# Altium PCB focDriver.PcbDoc (part 1 of 2) (continued)
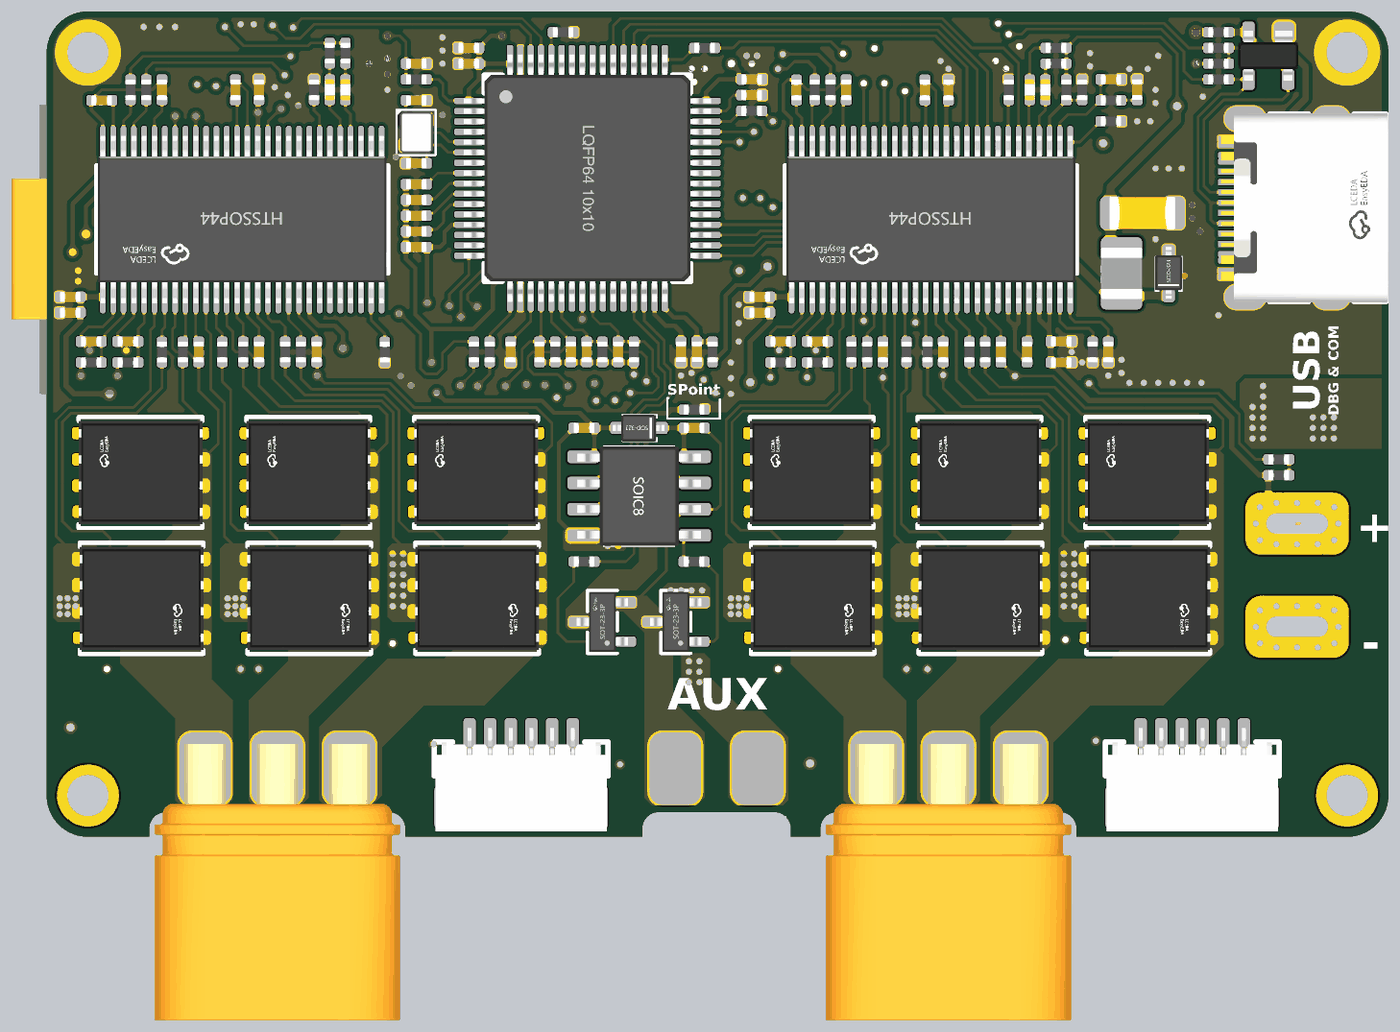
[diagram p5: 3D render of the assembled board from above, using the file's embedded part models]
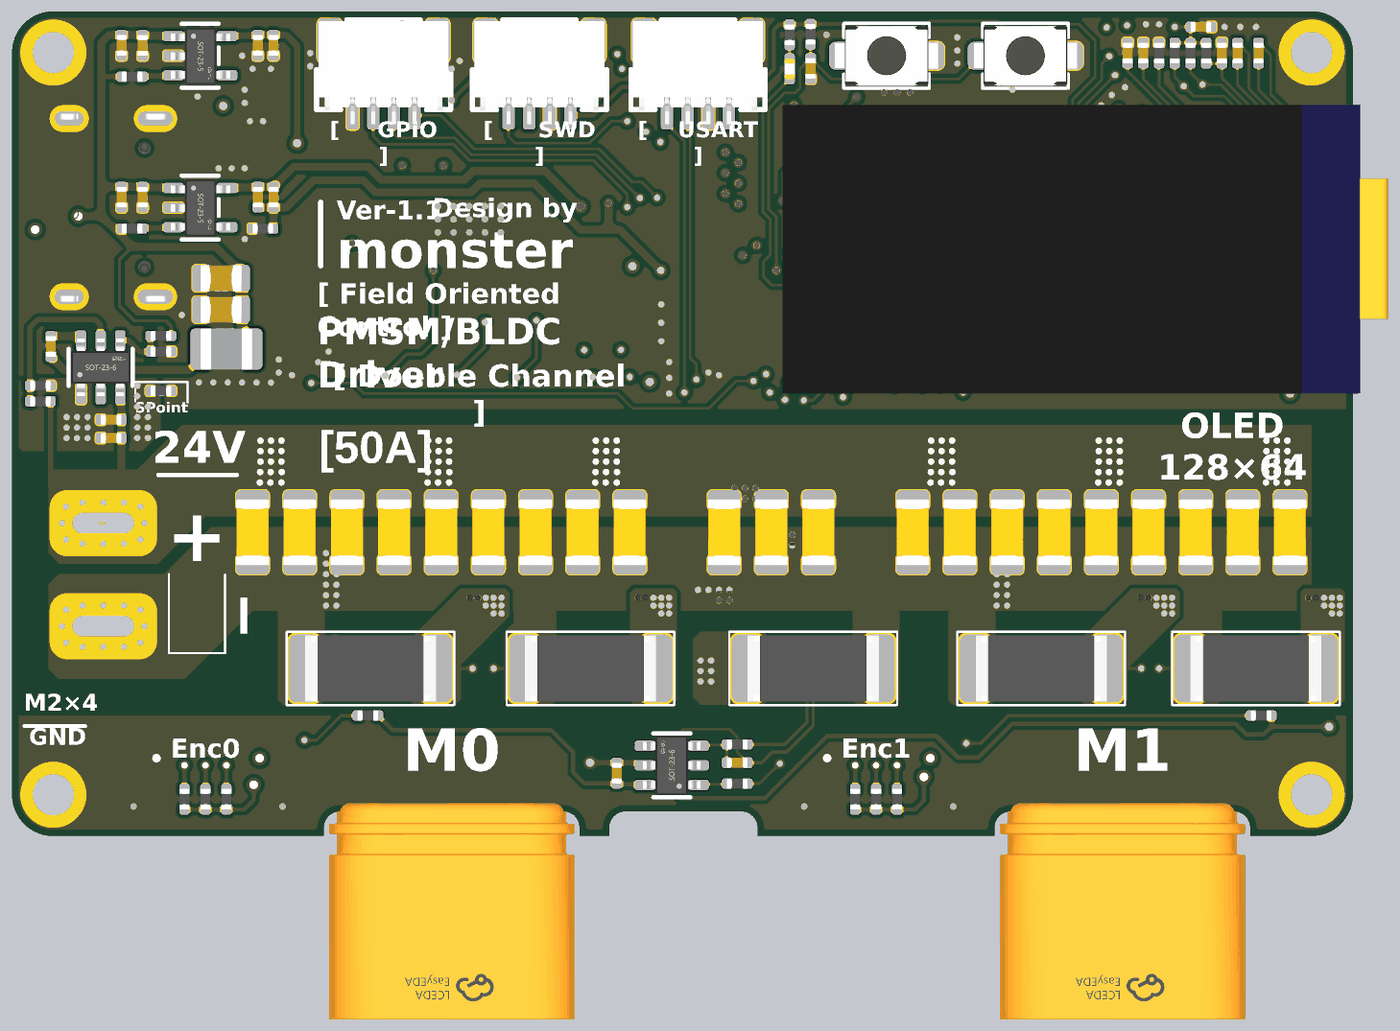
[diagram p6: 3D render of the assembled board from below, using the file's embedded part models]

## Layer stack, top to bottom
Top Solder: solder mask 0.4, Solder Resist, Dk 3.5
Top Layer: signal copper 1.4
Dielectric 2: prepreg 2.8, PP-006, Dk 4.1
Power: signal copper 1.378
Dielectric 1: dielectric 12.6, FR-4, Dk 4.8
Gnd: signal copper 1.378
Dielectric 3: prepreg 2.8, PP-006, Dk 4.1
Bottom Layer: signal copper 1.4
Bottom Solder: solder mask 0.4, Solder Resist, Dk 3.5

## Board outline
2078.74,1760 2195.91,1760 2195.91,1775.59 cw(c2227.4,1775.59) 2227.4,1807.09 2652.6,1807.09 cw(c2652.6,1775.59) 2684.09,1775.59 2684.09,1760 3136.02,1760 3136.02,1775.59 cw(c3167.52,1775.59) 3167.52,1807.09 3387.99,1807.09 cw(c3387.99,1775.59) 3419.49,1775.59 3419.49,1760 3475.91,1760 3475.91,1775.59 cw(c3507.4,1775.59) 3507.4,1807.09 3932.6,1807.09 cw(c3932.6,1775.59) 3964.09,1775.59 3964.09,1760 4480.31,1760 ccw(c4480.31,1838.74) 4559.06,1838.74 4559.06,3256.06 ccw(c4480.31,3256.06) 4480.31,3334.8 2078.74,3334.8 ccw(c2078.74,3256.06) 2000,3256.06 2000,1838.74 ccw(c2078.74,1838.74)

## Design rules (kind name [scope] priority, off if disabled: settings)
Clearance [All] p1: gap=6 ignorepadtopadclearanceinfootprint=FALSE except(7: Arc-Fill Arc-Poly Arc-Region Track-Fill Track-Poly Track-Region SMDPad-Fill SMDPad-Poly SMDPad-Region THPad-Fill THPad-Poly THPad-Region Via-Fill Via-Poly Via-Region Fill-Fill Fill-Poly Fill-Region Poly-Poly Poly-Region Region-Region)
ComponentClearance [All] p1: gap=8 collisioncheckmode=3 verticalgap=8 showdistances=FALSE
HoleSize [All] p1: absolutevalues=TRUE maxlimit=1000 minlimit=1 maxpercent=80.000 minpercent=20.000
HoleToHoleClearance [All] p1: gap=0 allowstackedmicrovias=TRUE
MinimumSolderMaskSliver [All] p1: minsoldermaskwidth=1
PolygonConnect [All] p1: connectstyle=Direct reliefconductorwidth=10 reliefentries=4 polygonreliefangle="90 Angle" airgapwidth=10
RoutingCorners [All] p1: cornerstyle=45-Degree minsetback=10 maxsetback=10
RoutingVias [All] p1: holewidth=11.81 width=19.68 viastyle="Through Hole" minholewidth=11.81 minwidth=19.68 maxholewidth=393.7 maxwidth=787.4
SilkToSilkClearance [All] p1: silktosilkclearance=0
SilkToSolderMaskClearance [IsPad] p1: minsilkscreentomaskgap=0 clearancetoexposedcopper=TRUE
SolderMaskExpansion [All] p1: expansion=4 istentingtop=FALSE
Width [All] p1: maxlimit=100 minlimit=5 preferedwidth=5
23 further rules are at their usual default settings.

## Classes and differential pairs
component class U_dc_aux: C86 C87 C88 C89 C90 C91 C92 C93 D8 J10 Q13 Q14 R74 R75 R76 R77 R78 R79 U8 U9 U?
component class U_motor1: C72 C73 C74 C75 C76 C77 C78 C79 C80 C81 C82 C83 C84 C85 D6 D7 J9 Q7 Q8 Q9 Q10 Q11 Q12 R56 R57 R58 R59 R60 R61 R62 R63 R64 R65 R66 R67 R68 R69 R70 R71 R72 R73 U7
component class U_motor0: C51 C52 C53 C54 C55 C56 C57 C58 C59 C60 C61 C62 C63 C64 C65 C66 C67 C68 C69 C70 C71 D3 D4 D5 J8 L2 Q1 Q2 Q3 Q4 Q5 Q6 R34 R35 R36 R37 R38 R39 R40 R41 R42 R43 R44 R45 R46 R47 R48 R49 R50 R51 R52 R53 R54 R55 U6
component class main: C1 C2 C3 C4 C5 C6 C7 C8 C9 C10 C11 C12 C13 C14 C15 C16 C17 C18 C19 C20 C21 C22 C23 C24 C25 C26 C27 C28 C29 C30 C31 C32 C33 C34 C35 C36 C37 C38 C39 C40 C41 C42 C43 C44 C45 C46 C47 C48 C49 C50 D1 D2 J1 J2 J3 J4 J5 J6 J7 L1 R1 R2 R3 R4 R5 R6 R7 R8 R9 R10 R11 R12 R13 R14 R15 R16 R17 R18 R19 R20 R21 R22 R23 R24 R25 R26 R27 R28 R29 R30 R31 R32 R33 R80 SW1 SW2 U1 U2 U3 U4 U5 X1

## Components (designator, comment, footprint, x,y, rotation, side; value= is the part's Value field where it differs from the comment)
C1 "0.1uF" C0402 3030,2685 r270 top
C2 "100uF" C1206 4100,2340 r270 bottom
C3 "100uF" C1206 4010,2340 r270 bottom
C4 "100uF" C1206 3920,2340 r270 bottom
C5 "100uF" C1206 3650,2340 r270 bottom
C6 "100uF" C1206 3740,2340 r270 bottom
C7 "100uF" C1206 3830,2340 r270 bottom
C8 "100uF" C1206 2390,2340 r270 bottom
C9 "100uF" C1206 2480,2340 r270 bottom
C10 "100uF" C1206 2840,2340 r270 bottom
C11 "100uF" C1206 2570,2340 r270 bottom
C12 "100uF" C1206 2750,2340 r270 bottom
C13 "100uF" C1206 2660,2340 r270 bottom
C14 "100uF" C1206 2300,2340 r270 bottom
C15 "100uF" C1206 2210,2340 r270 bottom
C16 "100uF" C1206 2120,2340 r270 bottom
C17 "100uF" C1206 3560,2340 r270 bottom
C18 "100uF" C1206 3470,2340 r270 bottom
C19 "100uF" C1206 3380,2340 r270 bottom
C20 "0.1uF" C0402 4485,2695 r90 bottom
C21 "12pF" C0402 2705,3165 r0 top
C22 "10uF" C0402 4370,2555 r0 bottom
C23 "0.1uF" C0402 4370,2520 r0 bottom
C24 "12pF" C0402 2705,3045 r180 top
C25 "22uF" C0805 4160,2765 r0 bottom
C26 "22uF" C0805 4160,2825 r0 bottom
C27 "0.1uF" C0402 4310,2980 r270 bottom
C28 "0.1uF" C0402 4350,2980 r270 bottom
C29 "0.1uF" C0402 4060,2980 r270 bottom
C30 "0.1uF" C0402 4090,2980 r270 bottom
C31 "2.2uF" C0402 3344.68,3175 r0 top
C32 "2.2uF" C0402 3210,2685.32 r270 top
C33 "0.1uF" C0402 2705,3235 r180 top
C34 "0.1uF" C0402 3035,3225.68 r90 bottom
C35 "0.1uF" C0402 2805,3235 r180 top
C36 "0.1uF" C0402 2805,3265 r180 top
C37 "0.1uF" C0402 3240,2685.32 r270 top
C38 "0.1uF" C0402 3345,3205 r0 top
C39 "0.1uF" C0402 2885,2685 r270 top
C40 "0.1uF" C0402 4310,3269.68 r270 bottom
C41 "0.1uF" C0402 4350,3270 r270 bottom
C42 "0.1uF" C0402 4060,3270 r270 bottom
C43 "0.1uF" C0402 4090,3270 r270 bottom
C44 "0.1uF" C0402 2705,2885 r180 top
C45 "1uF" C0402 2180,3255 r270 bottom
C46 "1uF" C0402 2220,3255 r270 bottom
C47 "10uF" C0402 2290,3305 r180 bottom
C48 "10uF" C0402 2400,3255 r90 bottom
C49 "10uF" C0402 2430,3255 r90 bottom
C50 "0.1uF" C0402 2250,3255 r90 bottom
C51 "1uF" C0402 3090,2685 r270 top
C52 "0.015uF" C0402 4025,2685 r270 top
C53 "82pF" C0402 4030,3205 r180 top
C54 "270pF" C0402 4080,3185.32 r270 top
C55 "0.1uF" C0402 3935,2705 r0 top
C56 "4.7uF" C0402 3935,2665 r0 top
C57 "0.1uF" C0402 3870,2685 r270 top
C58 "68uF" C1206 4090,2950 r0 top
C59 "0.1uF" C0402 3820,2685 r270 top
C60 "0.1uF" C0402 3710,2685 r270 top
C61 "2.2uF" C0402 3720,3184.68 r270 top
C62 "22nF" C0402 3675,3184.68 r90 top
C63 "0.1uF" C0402 3595,2685 r270 top
C64 "2.2uF" C0402 3525,3185 r270 top
C65 "2.2nF" C0402 3470,2705 r180 top
C66 "10uF" C0402 3430,3184.68 r90 top
C67 "2.2nF" C0402 2705,3005 r180 top
C68 "2.2nF" C0402 2705,2975 r180 top
C69 "4.7uF" C0402 3360,2760 r180 top
C70 "0.1uF" C0402 3360,2790 r180 top
C71 "2.2nF" C0402 3400,2705 r180 top
C72 "1uF" C0402 2940,2685 r270 top
C73 "0.1uF" C0402 2515,2685 r270 top
C74 "0.1uF" C0402 2405,2685 r270 top
C75 "2.2uF" C0402 2405,3185 r270 top
C76 "22nF" C0402 2360,3185 r90 top
C77 "0.1uF" C0402 2290,2685 r270 top
C78 "2.2uF" C0402 2220,3185 r270 top
C79 "2.2nF" C0402 2155,2705 r180 top
C80 "10uF" C0402 2105,3165 r180 top
C81 "2.2nF" C0402 2705,2915 r180 top
C82 "2.2nF" C0402 2705,2945 r180 top
C83 "4.7uF" C0402 2045,2760 r180 top
C84 "0.1uF" C0402 2045,2790 r180 top
C85 "2.2nF" C0402 2085,2705 r180 top
C86 "100uF" C1206 3200,2340 r270 bottom
C87 "100uF" C1206 3110,2340 r270 bottom
C88 "100uF" C1206 3020,2340 r270 bottom
C89 "2.2uF" C0402 3025,2540 r180 top
C90 "1uF" C0402 3235,2540 r0 top
C91 "0.1uF" C0402 3405,1880 r270 bottom
C92 "2.2nF" C0402 3175,1900 r180 bottom
C93 "2.2nF" C0402 3000,2685 r90 top
D1 "LED" LED-0402 3075,3225 r90 bottom
D2 "SP0503BAHTG" SOT-143 4330,3250 r180 top
D3 "LED" LED-0402 3905,3185 r90 top
D4 "LED" LED-0402 3875,3185 r90 top
D5 "MBR0540" SOD-323 4140,2835 r90 top
D6 "LED" LED-0402 2570,3185 r90 top
D7 "LED" LED-0402 2540,3185 r90 top
D8 "B5819WS" SOD-323 3130,2540 r180 top
J1 "HC-4P-1.0mm" SMD_4P_HC-1.0 3552.5,3210 r0 bottom
J2 "CONNECT-2P" CONNECT--EP-2P 4385,2357.48 r180 top
J3 "HC-4P-1.0mm" SMD_4P_HC-1.0 3250,3210 r0 bottom
J4 "TypeC-16" USB-SMD_TYPE-C-16P 4354.92,2959.92 r90 top
J5 "HC-6P-1.0mm" SMD_6P_HC-1.0 4185,1885 r0 top locked
J6 "HC-4P-1.0mm" SMD_4P_HC-1.0 3850,3210 r0 bottom
J7 "HC-6P-1.0mm" SMD_6P_HC-1.0 2905,1885 r0 top locked
J8 "MR30-M" AMASS-MR30-M 3720,1890 r0 top
J9 "HC-3P-1.0mm" AMASS-MR30-M 2440,1890 r0 top
J10 "CONNECT-2P" CONNECT-2P 3199.02,1890 r0 top locked
L1 "6.8uH" L1008 4150,2690 r180 bottom
L2 "22uH" L1008 4050,2835 r90 top
Q1 "AP68N06G" TDSON-8_L5.0-W6.0-3PIN 4099,2455 r90 top
Q2 "AP68N06G" TDSON-8_L5.0-W6.0-3PIN 3779,2455 r90 top
Q3 "AP68N06G" TDSON-8_L5.0-W6.0-3PIN 3459,2455 r90 top
Q4 "AP68N06G" TDSON-8_L5.0-W6.0-3PIN 4101,2215 r270 top
Q5 "AP68N06G" TDSON-8_L5.0-W6.0-3PIN 3781,2215 r270 top
Q6 "AP68N06G" TDSON-8_L5.0-W6.0-3PIN 3461,2215 r270 top
Q7 "AP68N06G" TDSON-8_L5.0-W6.0-3PIN 2819,2455 r90 top
Q8 "AP68N06G" TDSON-8_L5.0-W6.0-3PIN 2499,2455 r90 top
Q9 "AP68N06G" TDSON-8_L5.0-W6.0-3PIN 2179,2455 r90 top
Q10 "AP68N06G" TDSON-8_L5.0-W6.0-3PIN 2821,2215 r270 top
Q11 "AP68N06G" TDSON-8_L5.0-W6.0-3PIN 2501,2215 r270 top
Q12 "AP68N06G" TDSON-8_L5.0-W6.0-3PIN 2181,2215 r270 top
Q13 "AP68N06G" SOT-23-3 3060,2170 r0 top
Q14 "AP68N06G" SOT-23-3 3200,2170 r0 top
R1 "10K" R0402 4350,2450 r180 top
R2 "34.8K" R0402 4350,2480 r0 top
R3 "5K" R0402 3060,2685 r90 top
R4 "22R" R0402 3255,3265 r180 top
R5 "22R" R0402 3344.68,3145 r180 top
R6 "511K" R0402 4505,2590 r180 bottom
R7 "105K" R0402 4505,2620 r180 bottom
R8 "100K" R0402 4275,2715 r180 bottom
R9 "13.3K" R0402 4275,2685 r0 bottom
R10 "10K" R0402 2985,3295 r0 top
R11 "0R" R0402 4275,2610 r0 bottom
R12 "10K" R0402 2705,3205 r0 top
R13 "10K" R0402 3035,3291 r90 bottom
R14 "100K" R0402 4330,2920 r0 bottom
R15 "0R" R0402 4080.32,2920 r0 bottom
R16 "100K" R0402 4330,3210 r0 bottom
R17 "22R" R0402 2815,2685 r90 top
R18 "22R" R0402 2845,2685 r90 top
R19 "0R" R0402 3270,2685 r90 top
R20 "10K" R0402 3075,3290 r270 bottom
R21 "4.7K" R0402 4150,1830.32 r270 bottom
R22 "4.7K" R0402 4190,1830.32 r270 bottom
R23 "4.7K" R0402 4230,1830.32 r270 bottom
R24 "4.7K" R0402 2310,3255 r90 bottom
R25 "4.7K" R0402 2340,3255 r90 bottom
R26 "560K" R0402 2370,3255 r270 bottom
R27 "4.7K" R0402 2870,1830.32 r270 bottom
R28 "4.7K" R0402 2910,1830.32 r270 bottom
R29 "4.7K" R0402 2950,1830.32 r270 bottom
R30 "1.5K" R0402 4235,3235 r180 top
R31 "10K" R0402 2280,3255 r90 bottom
R32 "22R" R0402 4235,3205 r180 top
R33 "0R" R0402 4235,3295 r180 top
R34 "10K" R0402 3880,1990 r180 bottom
R35 "3.3K" R0402 3120,2685 r90 top
R36 "47K" R0402 4030,3165 r0 top
R37 "205K" R0402 4030,3125 r0 top
R38 "18K" R0402 3945,3185 r90 top
R39 "10K" R0402 3995,2685 r270 top
R40 "10R" R0402 3790,2685 r90 top
R41 "10R" R0402 3680,2685 r90 top
R42 "10R" R0402 3565,2685 r90 top
R43 "3.3K" R0402 3975,3185 r270 top
R44 "5.1K" R0402 3925,3235 r180 top
R45 "5.1K" R0402 3925,3265 r180 top
R46 "18K" R0402 3835,3185 r270 top
R47 "10R" R0402 3760,2685 r90 top
R48 "10R" R0402 3640,2685 r90 top
R49 "10R" R0402 3535,2685 r90 top
R50 "500uR" R2512 3875,2080 r0 bottom
R51 "500uR" R2512 3455,2080 r0 bottom
R52 "120R" R0402 3470,2665 r180 top
R53 "22R" R0402 3495,3185 r270 top
R54 "22R" R0402 3465,3185 r270 top
R55 "120R" R0402 3400,2665 r180 top
R56 "10K" R0402 2175,1990 r180 bottom
R57 "3.3K" R0402 2970,2685 r90 top
R58 "10K" R0402 2645,2684.68 r270 top
R59 "10R" R0402 2485,2685 r90 top
R60 "10R" R0402 2375,2685 r90 top
R61 "10R" R0402 2260,2685 r90 top
R62 "5.1K" R0402 2570,3255 r270 top
R63 "5.1K" R0402 2540,3255 r270 top
R64 "18K" R0402 2510,3185 r270 top
R65 "10R" R0402 2455,2685 r90 top
R66 "10R" R0402 2335,2685 r90 top
R67 "10R" R0402 2220,2684.68 r90 top
R68 "500uR" R2512 2595,2080 r0 bottom
R69 "500uR" R2512 2185,2080 r0 bottom
R70 "120R" R0402 2155,2665 r180 top
R71 "22R" R0402 2190,3185 r270 top
R72 "22R" R0402 2160,3185 r270 top
R73 "120R" R0402 2085,2665 r180 top
R74 "2.2R" R0402 3025,2285 r180 top
R75 "0R" R0402 3235,2575 r180 top
R76 "2.2R" R0402 3234.68,2285 r0 top
R77 "120R" R0402 3175,1935 r180 bottom
R78 "120R" R0402 3175,1860 r0 bottom
R79 "500uR" R2512 3030,2080 r180 bottom
R80 "22R" R0402 4235,3265 r180 top
SW1 "3*4两脚按键" SW-SMD_L4.0-W2.9 2890,3250 r180 bottom
SW2 "3*4两脚按键" SW-SMD_L4.0-W2.9 2625,3250 r180 bottom
U1 "STM32F405RGT6" LQFP-64_L10.0-W10.0-P0.50 3031.42,3016.37 r270 top locked
U2 "TPS54302DDCR" SOT-23-6 4390,2655 r270 bottom
U3 "SPX3819M5-L-3-3/TR" SOT-23-5 4200,2960 r0 bottom
U4 "SPX3819M5-L-3-3/TR" SOT-23-5 4200,3250 r0 bottom
U5 "OLED-6432" OLED-0.96-128x64 2525,2880 r270 bottom locked
U6 "DRV8301DCAR" HTSSOP-56_L14.0-W6.0-P0.50 3686.38,2937.66 r180 top locked
U7 "DRV8301DCAR" HTSSOP-56_L14.0-W6.0-P0.50 2372.99,2937.66 r180 top locked
U8 "IR2104STRPBF" SOIC-8 3130,2410 r0 top
U9 "INA181A1IDBVR" SOT-23-6 3300,1895 r180 bottom
X1 "8mHz 12pF" SMD2016-4P 2704.68,3103.62 r270 top

## Footprints (in the part's own frame and the unit in brackets; to place one, negate y for a bottom-side part, rotate by r counter-clockwise, add the part's x,y. Pads: shape width x height; smd on the part's side, far side on the other; paste and mask are expansions set on the pad)
AMASS-MR30-M [mm]
  rrect50% 2.5x3.5 smd: 1(-3.5,0) 2(0,0) 3(3.5,0)
  body extent -5.95,-12.2 5.95,1.2, height 2.45
C0402 [mm]
  rrect50% 0.5x0.52 smd mask+0.051: 1(-0.5,0) 2(0.5,0)
  silkscreen extent -0.12,-0.1 0.12,0.1, body extent -0.5,-0.25 0.5,0.25, height 0.5
C0805 [mm]
  rrect50% 0.8x1.3 smd mask+0.051: 1(-1,0) 2(1,0)
  silkscreen extent -0.35,-0.4 0.35,0.4, body extent -1,-0.65 1,0.65, height 1.3
C1206 [mm]
  rrect50% 1x1.6 smd mask+0.051: 1(-1.55,0) 2(1.55,0)
  silkscreen extent -0.8,-0.6 0.8,0.6, body extent -1.6,-0.8 1.6,0.8, height 1.3
CONNECT-2P [mm]
  rrect50% 2.5x3.5 smd: 1(0,0) 2(4,0)
CONNECT--EP-2P [mm]
  round 0.5 hole 0.3 mask+0.102: 1(-2,0) 1(-1.8,-0.8) 1(-1.8,0.8) 1(-1,1) 1(-1,-1) 1(0,1) 1(0,-1) 1(1,1) 1(1,-1) 1(1.8,-0.8) 1(1.8,0.8) 1(2,0) 2(-2,5) 2(-1.8,5.8) 2(-1.8,4.2) 2(-1,6) 2(-1,4) 2(0,6) 2(0,4) 2(1,6) 2(1,4) 2(1.8,5.8) 2(1.8,4.2) 2(2,5)
  rrect50% 5x3 hole 1 slot 3 at 0 deg: 1(0,0) 2(0,5)
HTSSOP-56_L14.0-W6.0-P0.50 [mm]
  oval 0.28x1.6 smd paste+0 mask+0.051: 1(-6.75,-3.751) 2(-6.25,-3.751) 3(-5.75,-3.751) 4(-5.25,-3.751) 5(-4.75,-3.751) 6(-4.25,-3.751) 7(-3.75,-3.751) 8(-3.25,-3.751) 9(-2.75,-3.751) 10(-2.25,-3.751) 11(-1.75,-3.751) 12(-1.25,-3.751) 13(-0.75,-3.751) 14(-0.25,-3.751) 15(0.25,-3.751) 16(0.75,-3.751) 17(1.25,-3.751) 18(1.75,-3.751) 19(2.25,-3.751) 20(2.75,-3.751) 21(3.25,-3.751) 22(3.75,-3.751) 23(4.25,-3.751) 24(4.75,-3.751) 25(5.25,-3.751) 26(5.75,-3.751) 27(6.25,-3.751) 28(6.75,-3.751) 29(6.75,3.751) 30(6.25,3.751) 31(5.75,3.751) 32(5.25,3.751) 33(4.75,3.751) 34(4.25,3.751) 35(3.75,3.751) 36(3.25,3.751) 37(2.75,3.751) 38(2.25,3.751) 39(1.75,3.751) 40(1.25,3.751) 41(0.75,3.751) 42(0.25,3.751) 43(-0.25,3.751) 44(-0.75,3.751) 45(-1.25,3.751) 46(-1.75,3.751) 47(-2.25,3.751) 48(-2.75,3.751) 49(-3.25,3.751) 50(-3.75,3.751) 51(-4.25,3.751) 52(-4.75,3.751) 53(-5.25,3.751) 54(-5.75,3.751) 55(-6.25,3.751) 56(-6.75,3.751)
  rrect40% 6.2x3.5 smd paste+0 mask+0.051: 57(0,0)
  silkscreen extent -7.08,-2.62 7.08,2.62, body extent -7,-4.06 7,4.06, height 1.3
L1008 [mm]
  rrect50% 1x2 smd: 1(-1.25,0) 2(1.25,0)
  silkscreen extent -0.15,-0.6 0,0.6, body extent -1.25,-1 1.25,1.01, height 1.5
LED-0402 [mm]
  rrect50% 0.5x0.5 smd mask+0.051: 1(-0.5,0) 2(0.5,0)
  silkscreen extent -0.13,-0.14 0.13,0.14, body extent -0.51,-0.25 0.51,0.26, height 0.21
LQFP-64_L10.0-W10.0-P0.50 [mm]
  rrect50% 0.3x1.4 smd paste+0 mask+0.051: 1(-3.75,-5.75) 2(-3.25,-5.75) 3(-2.75,-5.75) 4(-2.25,-5.75) 5(-1.75,-5.75) 6(-1.25,-5.75) 7(-0.75,-5.75) 8(-0.25,-5.75) 9(0.25,-5.75) 10(0.75,-5.75) 11(1.25,-5.75) 12(1.75,-5.75) 13(2.25,-5.75) 14(2.75,-5.75) 15(3.25,-5.75) 16(3.75,-5.75) 33(3.75,5.75) 34(3.25,5.75) 35(2.75,5.75) 36(2.25,5.75) 37(1.75,5.75) 38(1.25,5.75) 39(0.75,5.75) 40(0.25,5.75) 41(-0.25,5.75) 42(-0.75,5.75) 43(-1.25,5.75) 44(-1.75,5.75) 45(-2.25,5.75) 46(-2.75,5.75) 47(-3.25,5.75) 48(-3.75,5.75)
  rrect50% 1.4x0.3 smd paste+0 mask+0.051: 17(5.75,-3.75) 18(5.75,-3.25) 19(5.75,-2.75) 20(5.75,-2.25) 21(5.75,-1.75) 22(5.75,-1.25) 23(5.75,-0.75) 24(5.75,-0.25) 25(5.75,0.25) 26(5.75,0.75) 27(5.75,1.25) 28(5.75,1.75) 29(5.75,2.25) 30(5.75,2.75) 31(5.75,3.25) 32(5.75,3.75) 49(-5.75,3.75) 50(-5.75,3.25) 51(-5.75,2.75) 52(-5.75,2.25) 53(-5.75,1.75) 54(-5.75,1.25) 55(-5.75,0.75) 56(-5.75,0.25) 57(-5.75,-0.25) 58(-5.75,-0.75) 59(-5.75,-1.25) 60(-5.75,-1.75) 61(-5.75,-2.25) 62(-5.75,-2.75) 63(-5.75,-3.25) 64(-5.75,-3.75)
  silkscreen extent -5,-5 5,5, body extent -6,-6 6,6, height 1.45
OLED-0.96-128x64 [mm]
  rrect50% 0.38x2 smd: 1(4.03,7.195) 2(3.41,7.195) 3(2.79,7.195) 4(2.17,7.195) 5(1.55,7.195) 6(0.93,7.195) 7(0.31,7.195) 8(-0.31,7.195) 9(-0.93,7.195) 10(-1.55,7.195) 11(-2.17,7.195) 12(-2.79,7.195) 13(-3.41,7.195) 14(-4.03,7.195)
  body extent -7.01,-14.32 6.99,15.03, height 1.58
R0402 [mm]
  rrect50% 0.5x0.5 smd mask+0.051: 1(-0.5,0) 2(0.5,0)
  silkscreen extent -0.12,-0.2 0.12,0.2, body extent -0.5,-0.25 0.5,0.25, height 0.5
R2512 [mm]
  rrect50% 1.5x3.3 smd: 1(-3.2,0) 2(3.2,0)
  silkscreen extent -4.06,-1.78 4.06,1.78, body extent -3.17,-1.6 3.17,1.6, height 0.47
SMD2016-4P [mm]
  rrect50% 0.6x0.5 smd: 1(-0.6,-0.5) 2(0.6,-0.5) 3(0.6,0.5) 4(-0.6,0.5)
  silkscreen extent -1.1,-1 1.1,0.95, body extent -1.01,-0.79 1.01,0.81, height 0.53
SMD_4P_HC-1.0 [mm]
  rrect50% 0.6x1.4 smd paste+0 mask+0.05: 1(-1.5,1.87) 2(-0.5,1.87) 3(0.5,1.87) 4(1.5,1.87)
  rrect50% 1.2x2.2 smd paste+0 mask+0.05: 5(2.61,-1.743) 6(-2.61,-1.743)
  silkscreen extent -3.25,-2.75 3.25,1.6, body extent -3.15,-2.7 3.15,2.35, height 3.14
SMD_6P_HC-1.0 [mm]
  rrect50% 0.6x1.4 smd paste+0 mask+0.05: 1(-2.5,1.87) 2(-1.5,1.87) 3(-0.5,1.87) 4(0.5,1.87) 5(1.5,1.87) 6(2.5,1.87)
  rrect50% 1.2x2.2 smd paste+0 mask+0.05: 7(3.61,-1.743) 8(-3.61,-1.743)
  silkscreen extent -4.21,-2.75 4.21,1.42, body extent -4.15,-2.91 4.15,2.14, height 3.14
SOD-323 [mm]
  rrect50% 0.65x0.6 smd paste+0 mask+0.051: 1(-1.075,0) 2(1.075,0)
  silkscreen extent -0.9,-0.68 0.8,0.68, body extent -1.23,-0.65 1.28,0.65, height 1.2
SOIC-8 [mm]
  rrect50% 1.55x0.6 smd: 1(-2.7,1.905) 2(-2.7,0.635) 3(-2.7,-0.635) 4(-2.7,-1.905) 5(2.7,-1.905) 6(2.7,-0.635) 7(2.7,0.635) 8(2.7,1.905)
  silkscreen extent -1.7,-2.41 1.7,2.41, body extent -3,-2.41 3,2.41, height 1.72
SOT-23-3 [mm]
  rrect50% 1x0.5 smd mask+0.051: 1(1.128,-0.95) 2(1.128,0.95) 3(-1.128,0)
  silkscreen extent -0.73,-1.53 0.73,1.53, body extent -1.25,-1.45 1.25,1.45, height 1.05
SOT-23-5 [mm]
  rrect50% 1x0.5 smd mask+0.051: 1(1.3,-0.95) 2(1.3,0) 3(1.3,0.95) 4(-1.3,0.95) 5(-1.3,-0.95)
  silkscreen extent -0.9,-1.55 0.9,1.55, body extent -1.47,-1.37 1.42,1.41, height 1.2
SOT-23-6 [mm]
  rrect50% 1x0.5 smd mask+0.051: 1(1.3,-0.95) 2(1.3,0) 3(1.3,0.95) 4(-1.3,0.95) 5(-1.3,0) 6(-1.3,-0.95)
  silkscreen extent -0.9,-1.55 0.9,1.55, body extent -1.41,-1.45 1.41,1.45, height 1.65
SOT-143 [mm]
  rrect50% 1x1 smd: 1(-0.76,-1.15)
  rrect50% 0.6x1 smd: 2(0.96,-1.15) 3(0.96,1.15) 4(-0.96,1.15)
  body extent -1.46,-1.21 1.46,1.21, height 1
SW-SMD_L4.0-W2.9 [mm]
  rrect50% 1.53x1.36 smd mask+0.051: 1(-2.035,0) 2(2.035,0)
  silkscreen extent -2.08,-1.58 2.08,1.58, body extent -2.5,-1.45 2.5,1.45, height 2.01
TDSON-8_L5.0-W6.0-3PIN [mm]
  rrect50% 0.6x1 smd paste-100 mask+0.051: 1(1.905,-2.819) 2(-1.905,-2.819) 2(-0.635,-2.819) 2(0.635,-2.819) 3(-1.905,2.794) 3(-0.635,2.819) 3(0.635,2.819) 3(1.905,2.819)
  rrect10% 4.41x3.7 smd paste-100 mask+0.051: 3(0,0.85)
  silkscreen extent -2.69,-3 2.69,3, body extent -2.5,-3 2.5,3, height 0.95
USB-SMD_TYPE-C-16P [mm]
  oval 1.2x2 hole 0.7 slot 1.7 at 90 deg mask+0.051: 1(-4.32,1.765) 2(4.32,1.765)
  oval 1.2x1.8 hole 0.7 slot 1.4 at 90 deg mask+0.051: 3(-4.32,-2.415) 4(4.32,-2.415)
  rrect50% 0.3x1.3 smd mask+0.051: A1(-3.35,2.415) A4(-2.55,2.415) A5(-1.25,2.415) A6(-0.25,2.415) A7(0.25,2.415) A8(1.25,2.415) A9(2.55,2.415) A12(3.35,2.415) B1(3.05,2.415) B4(2.25,2.415) B5(1.75,2.415) B6(0.75,2.415) B7(-0.75,2.415) B8(-1.75,2.415) B9(-2.25,2.415) B12(-3.05,2.415)
  Keep-Out Layer board cut-out: 2.59,1.235 2.613,1.12 2.678,1.023 2.775,0.958 2.89,0.935 2.89,0.935 3.005,0.958 3.102,1.023 3.167,1.12 3.19,1.235 3.19,1.235 3.167,1.35 3.102,1.447 3.005,1.512 2.89,1.535 2.89,1.535 2.775,1.512 2.678,1.447 2.613,1.35 2.59,1.235
  Keep-Out Layer board cut-out: -2.89,0.935 -3.005,0.958 -3.102,1.023 -3.167,1.12 -3.19,1.235 -3.19,1.235 -3.167,1.35 -3.102,1.447 -3.005,1.512 -2.89,1.535 -2.89,1.535 -2.775,1.512 -2.678,1.447 -2.613,1.35 -2.59,1.235 -2.59,1.235 -2.613,1.12 -2.678,1.023 -2.775,0.958 -2.89,0.935
  Keep-Out Layer circle w0.01: c2.89,1.235 r0.3
  Keep-Out Layer circle w0.01: c-2.89,1.235 r0.3
  silkscreen extent -4.57,-5.08 4.57,0.57, body extent -4.57,-5.16 4.57,2.92, height 3.19